# Altium PCB IIS_PCB.PcbDoc (part 2 of 3) (continued)
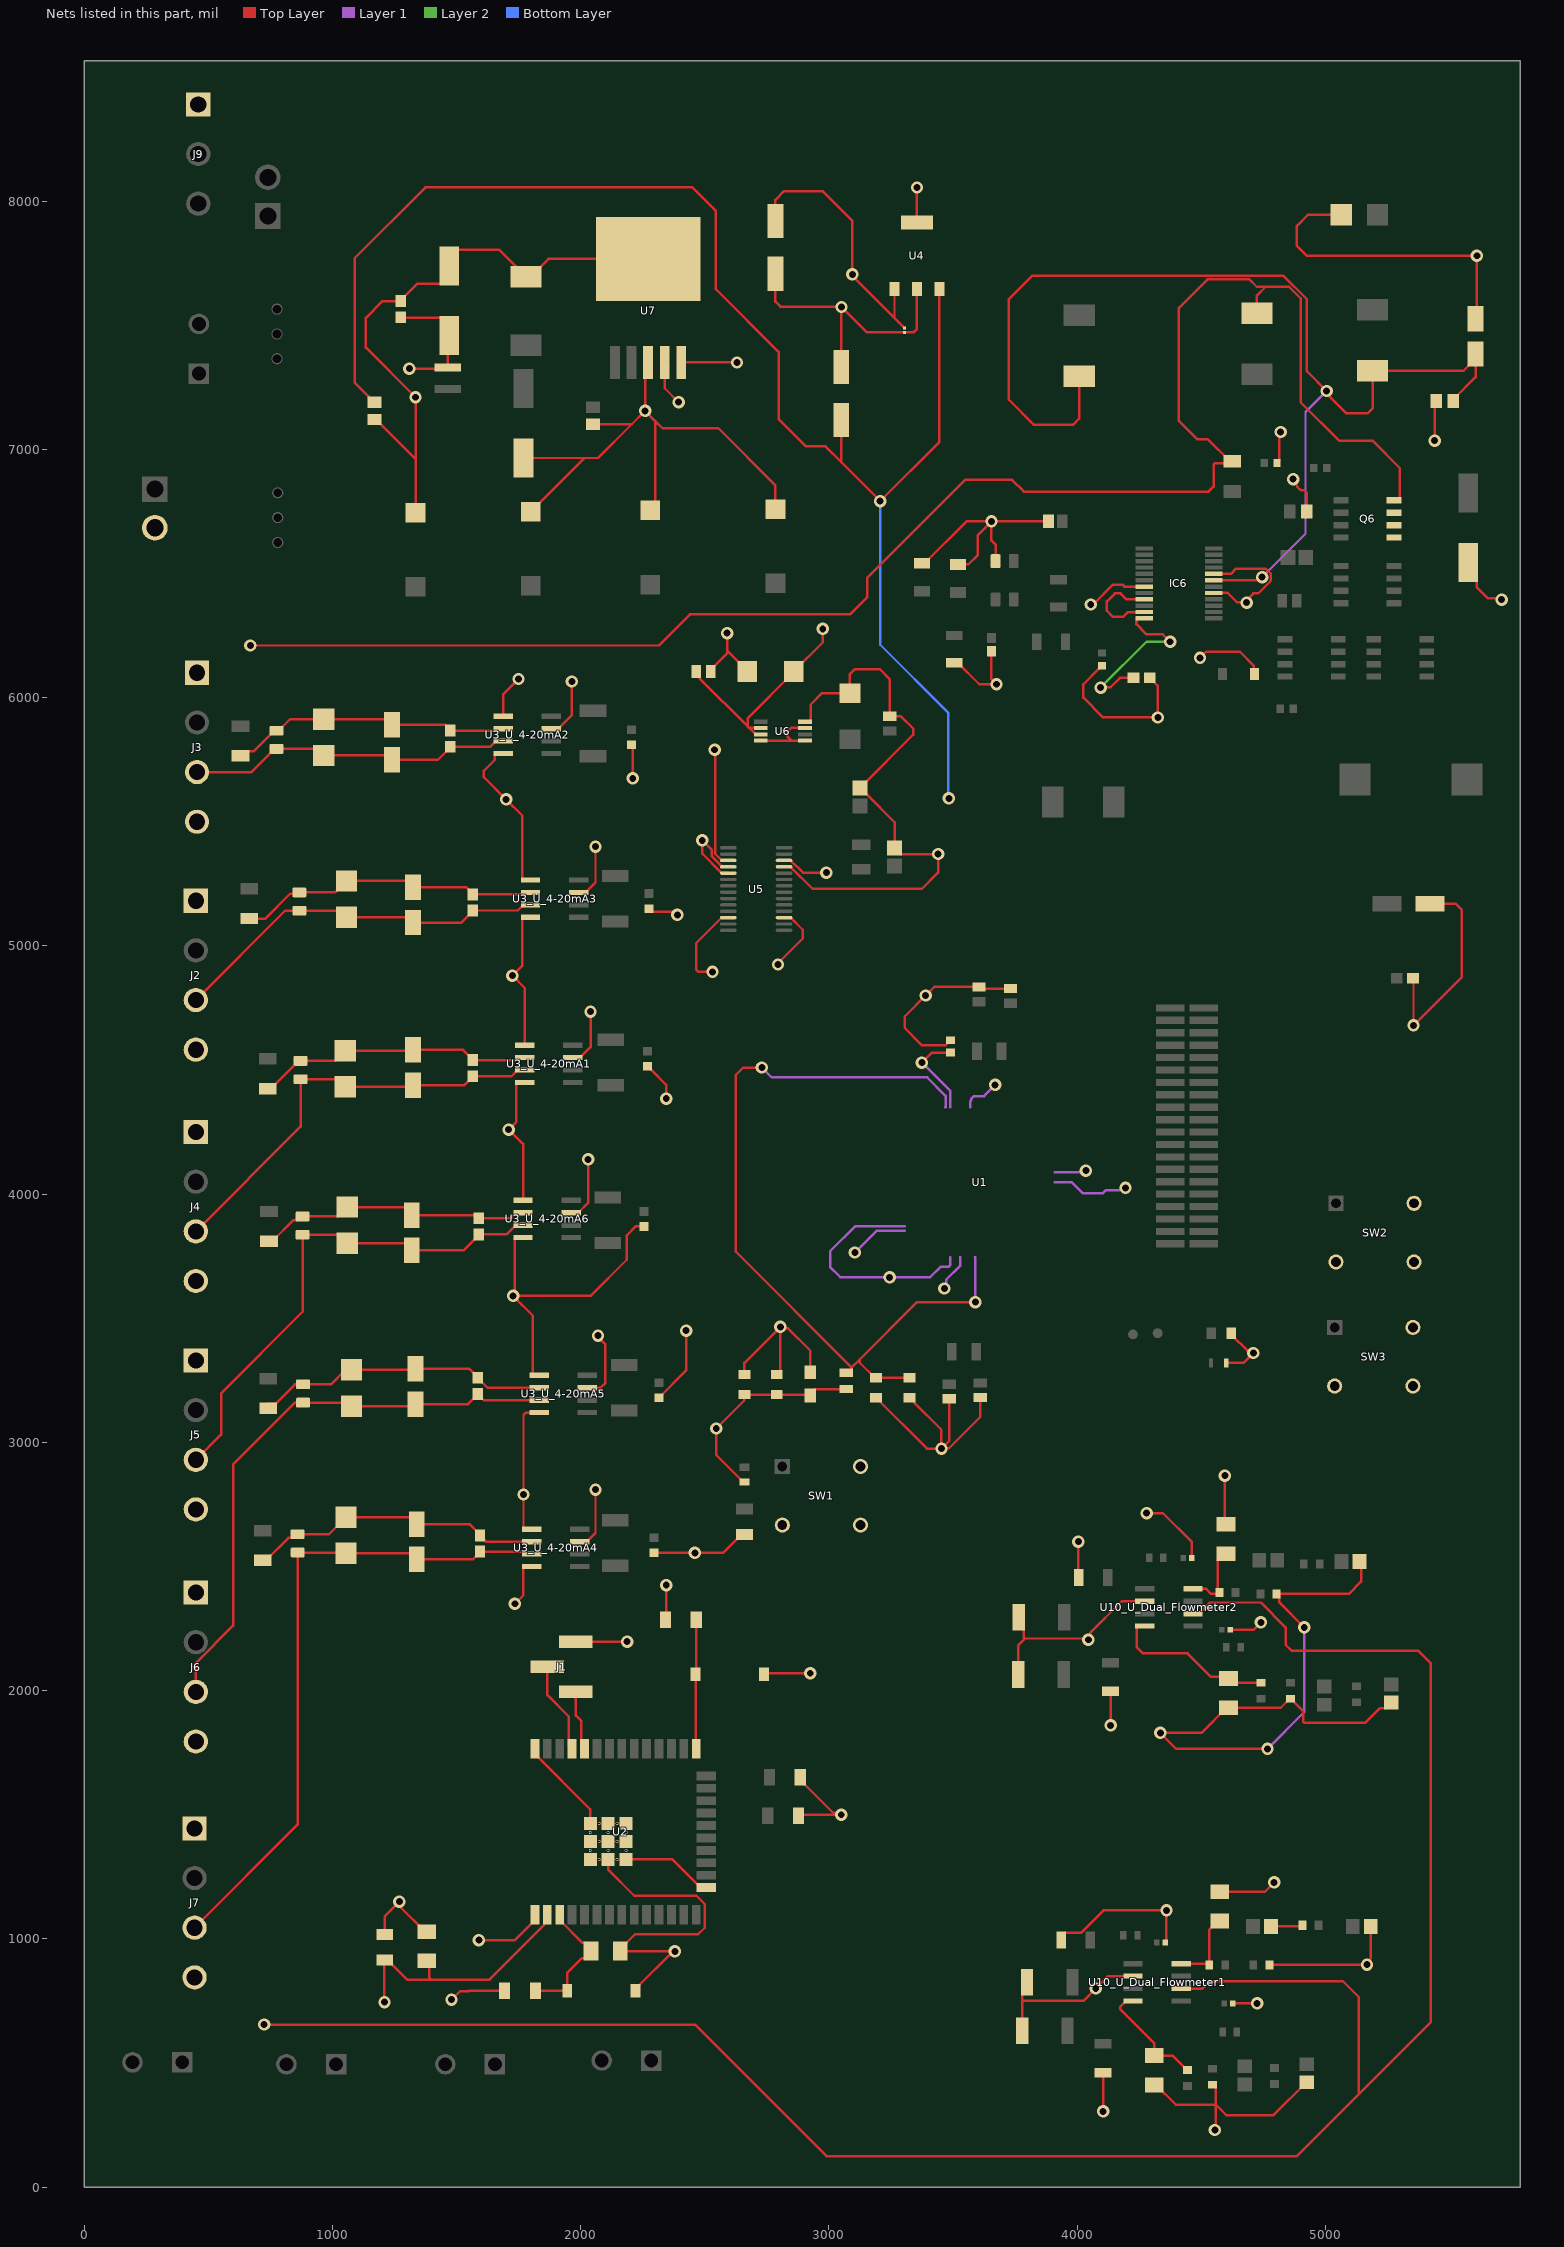
[diagram p6: the nets of this part, all layers, seen from the top]
## Part data (continued)
Q5 Q6 Q7 Q8: "MOSFET (N-Channel)", Manufacturer_Name="ON Semiconductor", Mouser Part Number=512-FDS5670, Arrow Part Number=FDS5670, Arrow Price/Stock=https://www.arrow.com/en/products/fds5670/on-semiconductor, Datasheet Link=https://eagle.componentsearchengine.com/Datasheets/2/FDS5670.pdf, Height=1.75mm, Manufacturer_Part_Number=FDS5670, Mouser Price/Stock=https://www.mouser.com/Search/Refine.aspx?Keyword=512-FDS5670
R1: library part CMP-2000-03379-3, "RES SMD 47K OHM 1% 1/10W 0603", Case Code (Imperial)=0603, Case Code (Metric)=1608, Max Operating Temperature=155°C, Max Power Dissipation=100mW, Min Operating Temperature=-55°C, Package Quantity=5000, Resistance=47kR, Resistance Tolerance=1%, Resistor Type="Thick Film", Temperature Coefficient=100ppm/°C, Voltage Rating=75V, Case/Package=0603, Construction=Rectangular, Contact Plating=Tin, Depth=0.85mm, Features="Automotive AEC-Q200", Height=0.45mm, Lead Free="Lead Free", Length=1.55mm, Military Standard=Not, Mount="Surface Mount", Number of Terminations=2, Packaging="Tape and Reel", Power Rating=100mW, Radiation Hardening=No, RoHS Compliant=Yes, Series=CRCW, Size Code=0603, Technology="THICK FILM", Termination=SMD/SMT, Tolerance=1%, Voltage Rating (DC)=75V, Weight=7.1E-05oz, Width=0.85mm
R2 R3 R4 R5: library part CMP-03211-008372-1, "Res Thin Film 1206 10KΩ 0.1% 0.25W 15ppm/°C Molded SMD", Manufacturer="TE Connectivity", Package=RP732B, Power Rating=0.25W, Resistance=10KΩ, Temperature="-55°C to 155°C", Temperature Coefficient=15ppm/°C, Temperature Range High=155°C, Temperature Range Low=-55°C, Tolerance=0.1%, Voltage Rating=200V, Automotive=No, Category=Res, ComponentLink2Description=Datasheet, ComponentLink2URL=https://www.te.com/commerce/DocumentDelivery/DDEController?Action=showdoc&DocId=Data+Sheet%7F1773272%7FL%7Fpdf%7FEnglish%7FENG_DS_1773272_L.pdf%7F8-1879255-6, Composition="Thin Film", Device Class L1="Passive Components", Device Class L2=Resistors, Device Class L3="Chip SMD Resistors", Height=0.65mm, Ipc Land Pattern Name=RESC305155X55, Lead Free=Yes, Manufacturer Part Number=RP73D2B10KBTG, Octopart=https://octopart.com/rp73d2b10kbtg-te+connectivity-42012630, octopart_url=https://octopart.com/rp73d2b10kbtg-te+connectivity-42012630, Packaging="250 cut tape length", RoHS=TRUE, Series=RP73
R16_U_Dual_Flowmeter1 R16_U_Dual_Flowmeter2 R29_U_Dual_Flowmeter1 R29_U_Dual_Flowmeter2 R35: "Carbon film resistor 100 kâ„", Package=None, Supplier Part Number 1=311-100KERCT-ND, Availability=Unavailable, MP=RC1206JR-07100KL, Price=None, Supplier 1=Digi-Key
R17_U_Dual_Flowmeter1 R17_U_Dual_Flowmeter2 R28_U_Dual_Flowmeter1 R28_U_Dual_Flowmeter2: "Chip Resistor Surface Mount", Package=None, Supplier Part Number 1=YAG1267CT-ND, Availability=Unavailable, MP=RC0402FR-073K3P, Price=None, Supplier 1=Digi-Key
R18_U_Dual_Flowmeter1 R18_U_Dual_Flowmeter2 R26_U_Dual_Flowmeter1 R26_U_Dual_Flowmeter2 RF1_U_4-20mA1 RF1_U_4-20mA2 RF1_U_4-20mA3 RF1_U_4-20mA4 RF1_U_4-20mA5 RF1_U_4-20mA6: Package=None, Supplier Part Number 1=CRS2010AFX-1001ELFCT-ND, Availability=Unavailable, MP=CRS2010AFX-1001ELF, Price=None, Supplier 1=Digi-Key
R19_U_Dual_Flowmeter1 R19_U_Dual_Flowmeter2 R27_U_Dual_Flowmeter1 R27_U_Dual_Flowmeter2: "Res Thick Film 0603 1M Ohm 1% 0.1W(1/10W) Â±100ppm/Â°C Sulfur Resistant Pad SMD Automotive T/R", Package="1608-2 Panasonic", Supplier Part Number 1=667-ERJ-S03F1004V, Availability="Not in stock", Check_prices=https://www.snapeda.com/parts/ERJ-S03F1004V/Panasonic/view-part/3733497/?ref=eda, MF=Panasonic, MP=ERJ-S03F1004V, Price=None, SnapEDA_Link=https://www.snapeda.com/parts/ERJ-S03F1004V/Panasonic/view-part/3733497/?ref=snap, Supplier 1=Mouser
R20_U_Dual_Flowmeter1 R20_U_Dual_Flowmeter2 R23_U_Dual_Flowmeter1 R23_U_Dual_Flowmeter2 R24_U_Dual_Flowmeter1 R24_U_Dual_Flowmeter2 R25_U_Dual_Flowmeter1 R25_U_Dual_Flowmeter2: "Resistor Thick Film 0603 5.1k Ohm 5% 1/10 Watt Â±200ppm Â°C Surface Mount Paper Tape On Plastic Reel", Package=None, Supplier Part Number 1=118-CR0603-JW-512ELFCT-ND, Availability=Unavailable, MP=CR0603-JW-512ELF, Price=None, Supplier 1=Digi-Key
R21_U_Dual_Flowmeter1 R21_U_Dual_Flowmeter2 R22_U_Dual_Flowmeter1 R22_U_Dual_Flowmeter2: "RES SMD 2.21KOHM 0.5% 1/10W 0603", Package=None, Availability=Unavailable, MP=RT0603DRE072K21L, Price=None
R30 R37 R38 R39: library part CMP-1012-00623-3, "Chip Resistor, 10 KOhm, +/- 1%, 0.1 W, -55 to 155 degC, 0603 (1608 Metric), RoHS, Tape and Reel", Case Code (Imperial)=0603, Case Code (Metric)=1608, Manufacturer=Panasonic, Max Operating Temperature=155degC, Max Power Dissipation=100mW, Min Operating Temperature=-55degC, Package Description="2-Pin Surface Mount Device, Body 1.6 x 0.85 mm", Package Quantity=1, Package Reference=603, Resistance=10KOhm, Temperature Coefficient=100ppm\/degreesC, Tolerance=1%, Voltage Rating=75V, Case\/Package=0603, Composition=ThickFilm, Contact Plating=Tin, Datasheet URL=https://industrial.panasonic.com/cdbs/www-data/pdf/RDA0000/AOA0000C304.pdf, Datasheet Version=02/2017, Depth=0.8mm, Height=0.45mm, Lead Free=LeadFree, Length=1.6mm, Manufacturer URL=http://www.panasonic.com/, Military Standard=Not, Mount=SurfaceMount, Mounting Technology=SurfaceMount, Number of Pins=2, Number of Terminations=2, Packaging=TapeandReel, Power Rating=100mW, Radiation Hardening=No, REACH SVHC=NoSVHC, RoHSCompliant=true, Termination=SMD/SMT, Voltage Rating (DC)=75V, Width=0.031inch
R31 R34 RF2_U_4-20mA1 RF2_U_4-20mA2 RF2_U_4-20mA3 RF2_U_4-20mA4 RF2_U_4-20mA5 RF2_U_4-20mA6: "100 Ohms Â±5% 0.5W, 1/2W Chip Resistor 0805 _2012 Metric_ Pulse Withstanding Thick Film", Package="0805 TE Connectivity", Supplier Part Number 1=279-CRGS0805J100R, Availability=Unavailable, MF="TE Connectivity", MP=CRGS0805J100R, Price=None, SnapEDA_Link=https://www.snapeda.com/parts/CRGS0805J100R/TE%20Connectivity%20AMP%20Connectors/view-part/1008227/?ref=snap, Supplier 1=Mouser, TE_purchase_URL=https://www.te.com/usa-en/product-2-2176244-5.html?te_bu=Cor&te_type=disp&te_campaign=seda_glo_cor-seda-global-disp-prtnr-fy19-seda-model-bom-cta_sma-317_1&elqCampaignId=32493
R32 R33: library part CMP-2003-00769-1, Manufacturer=Panasonic, Part Number=ERJ8BWFR018V
R36: library part CMP-2003-02025-1, Manufacturer="Vishay Dale", Part Number=CRCW1206294KFKEA
"R AV1": library part CMP-2001-04896-1, Manufacturer="Vishay Dale", Part Number=CRCW08050000Z0EA
RCore1: library part CMP-2000-03640-1, Manufacturer="Vishay Dale", Part Number=CRCW060391K0FKEA
S1 S2: "Tactile Switch SPST-NC Top Actuated Surface Mount", Package=None, Availability=Unavailable, MP=ATS2D3G_NC_LFG, Price=None
SW1 SW2 SW3: library part CMP-05613-000006-1, "SWITCH PUSH SPST-NO 0.1A 14V", Contact Current Rating=100mA, Max Operating Temperature=80°C, Max Voltage Rating (DC)=14V, Min Operating Temperature=-30°C, Operating Force=4N, Package Quantity=1200, Actuator Length=5.5mm, Actuator Type=Lever, Current Rating=100mA, Lead Free="Lead Free", Mount="Through Hole", Orientation=Straight, Packaging=Bulk, Radiation Hardening=No, REACH SVHC="No SVHC", RoHS Compliant=Yes, Series=ESE20C, Switch Function=Off-Mom, Termination="PC Pin", Throw Configuration=SPST, Voltage Rating (DC)=14V
U1: "SimpleLink ultra-low-power 32-bit Arm Cortex-M4F MCU With Precision ADC, 256KB Flash and 64KB RAM 100-LQFP -40 to 85", Package="LQFP-100 Texas Instruments", BuyPart=https://www.snapeda.com/parts/MSP432P401RIPZR/Texas%20Instruments/view-part/537368/?ref=eda, Digi-Key_Part_Number=296-44715-1-ND, DigiKey-Purchase-URL=https://snapeda.com/shop?store=DigiKey&id=537368, MF="Texas Instruments", Mouser-Purchase-URL=https://snapeda.com/shop?store=Mouser&id=537368, MP=MSP432P401RIPZR, SnapEDA_Link=https://www.snapeda.com/parts/MSP432P401RIPZR/Texas%20Instruments/view-part/537368/?ref=snap, Texas_Instruments-Purchase-URL=https://snapeda.com/shop?store=Texas+Instruments&id=537368
U2: "Bluetooth, WiFi 802.11b/g/n, Bluetooth v4.2 + EDR, Class 1, 2 and 3 Transceiver Module 2.4GHz ~ 2.5GHz Integrated, Trace Surface Mount", Package="Module Espressif Systems", Availability=Unavailable, MF="Espressif Systems", MP=ESP32-WROOM-32D, Price=None, SnapEDA_Link=https://www.snapeda.com/parts/ESP32-WROOM-32D/Espressif%20Systems/view-part/2768115/?ref=snap
U3_U_4-20mA1 U3_U_4-20mA2 U3_U_4-20mA3 U3_U_4-20mA4 U3_U_4-20mA5 U3_U_4-20mA6: "SP Amp DIFF AMP Single R-R O/P ±18V/36V Automotive 8-Pin SOIC N Tube", Case/Package=SOIC, Input Offset Voltage (Vos)=5.2mV, Input Resistance=2MR, Manufacturer="Analog Devices / Linear Technology", Manufacturer Part Number=LT1990ACS8#PBF, Max Dual Supply Voltage=18V, Max Operating Temperature=70°C, Max Supply Voltage=36V, Min Dual Supply Voltage=1.35V, Min Operating Temperature=0°C, Min Supply Voltage=2.4V, Operating Supply Current=140uA, Output Current per Channel=22mA, Package="SOIC -8 Analog Devices", Package Quantity=100, Power Supply Rejection Ratio (PSRR)=80dB, Supplier Part Number 1=584-LT1990ACS8#PBF, -3db Bandwidth=105kHz, Amplifier Type=DIFFERENTIAL, Availability=Good, Bandwidth=100kHz, Category="Amplifiers - Op Amps, Buffer, Instrumentation", Check_prices=h, Common Mode Rejection Ratio=70dB, ComponentLink1Description=https://datasheet.ciiva.com/15128/getdatasheetpartid-371446-15128871.pdf?src-supplier=Verical, ComponentLink1URL=https://datasheet.ciiva.com/15128/getdatasheetpartid-371446-15128871.pdf?src-supplier=Verical, ComponentLink2Description=https://datasheet.ciiva.com/1802/5087-1802941.pdf?src-supplier=Digi-Key, ComponentLink2URL=https://datasheet.ciiva.com/1802/5087-1802941.pdf?src-supplier=Digi-Key, ComponentLink3Description=https://datasheet.ciiva.com/1492/1990fb-1492770.pdf?src-supplier=Farnell, ComponentLink3URL=https://datasheet.ciiva.com/1492/1990fb-1492770.pdf?src-supplier=Farnell, ComponentLink4Description=https://datasheet.ciiva.com/1485/1679607-1485298.pdf?src-supplier=Element14, ComponentLink4URL=https://datasheet.ciiva.com/1485/1679607-1485298.pdf?src-supplier=Element14, Lead Free="Lead Free", MF="Analog Devices", MP=LT1990ACS8#PBF, Nominal Gain Bandwidth Product=100kHz, Number of Amplifiers=1, Number of Channels=1, Number of Circuits=1, Number of Elements=1, Number of Pins=8, Packaging=Rail/Tube, Price=None, Pricing 1="1=5.20000, 10=4.67000, 50=4.42000, 100=3.82000, 1000=3.25000, 10000=3.25000 (USD)", Purchase-URL=https://pricing.snapeda.com/search/part/LT1990ACS8#PBF/?ref=eda, Radiation Hardening=No, REACH SVHC="No SVHC", RoHS=Yes, RoHS Compliant=Yes, Slew Rate=0.55V/µs, SnapEDA_Link=https://www.snapeda.com/parts/LT1990ACS8%23PBF/Analog%20Devices/view-part/4348994/?ref=snap, Stock 1=55, Supplier 1=Mouser
U4: library part CMP-0476-01801-1, "Micropower Low Dropout Regulator with Shutdown, 4.17 to 36 V Vin, 3.3 V Vout, 3-pin SOT223 (ST-3), 0 to 125 degC, Pb-Free, Tape and Reel", Dropout Voltage(V)=0.42, Manufacturer="Linear Technology", Output Voltage="3.3 V", Shutdown Current(uA)=16, ComponentLink1Description="Manufacturer URL", ComponentLink1URL=http://www.linear.com/, ComponentLink2Description=Datasheet, ComponentLink2URL=http://cds.linear.com/docs/en/datasheet/1121fg.pdf, ComponentLink3Description="Package Specification", ComponentLink3URL=http://cds.linear.com/docs/en/packaging/SOT_3_05-08-1630.pdf, DatasheetVersion="Rev. G", Discrete Pass Element=no, Iout(mA)=150, Isupply(mA)=0.03, Mounting Technology="Surface Mount", Number of Outputs=1, PackageDescription="3-Pin Plastic SOT-223, 3.505 x 6.505 mm Body, Pitch 2.3 mm", PackageReference=ST-3, PackageVersion=Jun-10, Packing="Tape and Reel", PartNumber=LT1121CST-3.3#TRPBF, RoHS=TRUE, Vin Max(V)=36, Vin Min(V)=4.17
U5: library part CMP-0313-02003-2, "10 Channel 24-Bit Low Power Sigma-Delta Analog-to-Digital Converter with Serial, SPI Interface, 1.365KSPS, -40 to +85 degC, RU-28, Pb-Free, Tube", Generic Part Number=AD7718, Manufacturer="Analog Devices", Channels=10, Code_JEDEC=MO-153-AE, ComponentLink1Description="Manufacturer URL", ComponentLink1URL=http://www.analog.com/en/index.html, ComponentLink2Description=Datasheet, ComponentLink2URL=http://www.analog.com/static/imported-files/data_sheets/AD7708_7718.pdf, ComponentLink3Description="Package Specification", ComponentLink3URL=http://www.analog.com/static/imported-files/packages/249854663RU_28.pdf, ComponentLink4Description="Product URL", ComponentLink4URL=http://www.analog.com/en/analog-to-digital-converters/ad-converters/ad7718/products/product.html, DatasheetVersion=Rev.0, Interface="Ser, SPI", Mounting Technology="Surface Mount", PackageDescription="28-Lead Thin Shrink Small Outline Package [TSSOP]", PackageReference=RU-28, PackageVersion=2005, Packing=Tube, PartNumber=AD7718BRUZ, Resolution (Bits)=24, RoHS=Y, Throughput Rate (SPS)=1.365K
U6: "Ic Vref Series Prec 2.5v 8-Msop - Ltc6652ahms8-2.5#Pbf", Package="MSOP-8 Linear Technology", Availability=Unavailable, MF="Linear Technology", MP=LTC6652AHMS8-2.5#PBF, Price=None, SnapEDA_Link=https://www.snapeda.com/parts/LTC6652AHMS8-2.5%23PBF/Analog%20Devices/view-part/135303/?ref=snap
U7: "SIMPLE SWITCHERé›»æºè½‰æ›å™¨150 KHz 1Aé™å£“ç©©å£“å™¨5-DDPAK / TO-263", Package="TO-263-5 Texas Instruments", Supplier Part Number 1=296-37722-5-ND, Availability=Warning, Check_prices=https://www.snapeda.com/parts/LM2595S-5.0/Texas%20Instruments/view-part/20758/?ref=eda, DigiKey-Purchase-URL=https://snapeda.com/shop?store=DigiKey&id=20758, MF="Texas Instruments", MP=LM2595S-5.0, Price=None, SnapEDA_Link=https://www.snapeda.com/parts/LM2595S-5.0/Texas%20Instruments/view-part/20758/?ref=snap, Supplier 1=Digi-Key
U10_U_Dual_Flowmeter1 U10_U_Dual_Flowmeter2: "Comparator General Purpose Pull Up 8-SOIC", Package="SOIC -8 Analog Devices", Supplier Part Number 1=584-LT1017IS8#PBF, Availability="In Stock", Check_prices=https://www.snapeda.com/parts/LT1017IS8%23PBF/Analog%20Devices/view-part/4348316/?ref=eda, MF="Analog Devices", MP=LT1017IS8#PBF, Price=None, Purchase-URL=https://pricing.snapeda.com/search/part/LT1017IS8#PBF/?ref=eda, SnapEDA_Link=https://www.snapeda.com/parts/LT1017IS8%23PBF/Analog%20Devices/view-part/4348316/?ref=snap, Supplier 1=Mouser
Y1 Y2: "32.768kHz Â±20ppm Crystal 6pF 55 kOhms 2-SMD, No Lead", Package="SMD-2 Abracon LLC", Digi-Key_Part_Number=535-11937-1-ND, Digi-Key_Purchase_URL=https://www.digikey.com/product-detail/en/abracon-llc/ABS07-120-32.768KHZ-T/535-11937-1-ND/3724046?utm_source=snapeda&utm_medium=aggregator&utm_campaign=symbol, MF=Abracon, MP=ABS07-120-32.768KHZ-T, SnapEDA_Link=https://www.snapeda.com/parts/ABS07-120-32.768KHZ-T/Abracon%20LLC/view-part/330478/?ref=snap
"YA 1": library part CMP-0447-00001-3, "CRYSTAL 32.7680KHZ 12.5PF SMD", Case/Package=CSMD, ESR (Equivalent Series Resistance)=70kR, Frequency=32.768kHz, Frequency Tolerance=20ppm, Load Capacitance=12.5pF, Max Operating Temperature=85°C, Min Operating Temperature=-40°C, Operating Frequency="32.768 kHz", Package Quantity=3000, Depth=1.5mm, Height=0.035inch, Lead Free="Lead Free", Length=3.2mm, Number of Pins=2, Packaging="Tape and Reel", Radiation Hardening=No, REACH SVHC="No SVHC", RoHS Compliant=Yes, Series=ABS07, Series Resistance=70kR, Termination=SMD/SMT, Tolerance=20ppm, Width=0.061inch

## Via types
v1: diameter 50, hole 28, Top Layer to Bottom Layer, 194 vias

## Nets (pads, with @x,y where several pads share a name; then routed paths per layer and width w, separated by ;. In a path a pad name is that pad's centre, name@x,y a point inside that pad or via, vN(x,y) a via of type N, cw(c..) or ccw(c..) an arc to the next point about the centre after c; other vN are vias at no path point)
3V3: "R AV1.2" C1.2 C4.1 C5.1 C7.1 C8.1 C11.2 C14.1 R1.2 R2.2 R3.2 R16_U_Dual_Flowmeter1.1 R16_U_Dual_Flowmeter2.1 R17_U_Dual_Flowmeter1.1 R17_U_Dual_Flowmeter2.1 R28_U_Dual_Flowmeter1.1 R28_U_Dual_Flowmeter2.1 R29_U_Dual_Flowmeter1.1 R29_U_Dual_Flowmeter2.1 U1.13 U1.73 U2.2 U4.3 U5.26 | length 10772.2
  Top Layer w10: C14.1@1170,7189.45 1163.9,7189.45 1146.06,7207.28 1146.06,7213.39 1090,7269.45 1090,7770 1375,8055 2450,8055 2545,7960 2545,7645 2797.5,7392.5 2797.5,7122.5 2908.3,7011.7 2986.88,7011.7 3050,6948.58 ; v1(1210,745) 1210,914.23 C7.1@1210.85,915.08 ; C7.1@1222.66,915.08 1301.48,836.26 1396.7,836.26 ; C8.1@1380.85,911.26 1390.85,901.26 1390.85,842.12 1396.7,836.26 ; v1(1480,755) 1515,790 1550,790 1551.26,791.26 R2.2@1693.84,791.26 ; U2.2@1865.85,1096.97 1853.13,1084.25 1853.13,1055.95 1633.44,836.26 1396.7,836.26 ; R3.2@2341.83,2286.26 2345,2289.43 v1(2345,2425) ; R1.2@2660,2840.47 2655.08,2840.47 2546.31,2949.24 v1(2546.31,3055.84) 2660,3169.53 C4.1@2660,3192.84 C5.1@2790,3192.84 2920.35,3192.84 C1.2@2925,3188.2 2925,3193.91 2946.09,3215 3070,3215 ; U5.26@2819.41,5344.13 2845.98,5344.13 2895.12,5295 v1(2990,5295) ; C11.2@3050,7118.7 3050,6948.58 ; U4.3@3445.55,7646.14 3445.55,7030.42 v1(3206.85,6791.72) 3050,6948.58 ; R16_U_Dual_Flowmeter1.1@3936.73,995 3936.73,1009.96 3950.83,1024.06 4015.03,1024.06 4105.98,1115 v1(4360,1115) 4358.5,1113.5 4358.5,988.5 R17_U_Dual_Flowmeter1.1@4355,985 ; v1(4005,2600) 4005,2456.73 R16_U_Dual_Flowmeter2.1@4006.73,2455 ; v1(4105,305) R29_U_Dual_Flowmeter1.1@4105,461.73 ; v1(4135,1860) R29_U_Dual_Flowmeter2.1@4135,1996.73 ; v1(4280,2715) 4345,2715 4462.01,2597.99 R17_U_Dual_Flowmeter2.1@4462.01,2535 ; R28_U_Dual_Flowmeter2.1@4617.01,2245 4710,2245 v1(4740,2275) ; R28_U_Dual_Flowmeter1.1@4627.01,740 v1(4725,740)
  Layer 1 w10: v1(3105,3765) 3191.89,3851.89 U1.73@3306.06,3851.89 ; U1.13@3910,4048.74 3977.22,4048.74 4023.23,4002.73 4102.73,4002.73 4115,4015 4169.14,4015 4171.49,4017.35 4187.35,4017.35 v1(4195,4025)
  Bottom Layer w10: v1(3206.85,6791.72) 3206.85,6213.15 3480,5940 3480,5597.59 v1(3483.59,5593.99)
24V0: CR7.2 J2.1 J3.1 J4.1 J5.1 J6.1 J7.1 Q6.5 Q6.6 Q6.7 Q6.8 R36.2 U10_U_Dual_Flowmeter1.6 U10_U_Dual_Flowmeter2.6 | length 15761.1
  Top Layer w10: v1(670,6210) 2315,6210 2440,6335 3085,6335 3155,6405 3155,6483.65 3548.79,6877.44 3738.17,6877.44 3785.61,6830 4530,6830 4550,6850 4550,6939.14 4555.86,6945 4617.95,6945 R36.2@4625,6952.05 4615.16,6952.05 4527.2,7040 4485,7040 4410,7115 4410,7570 4525,7685 4693.66,7685 4723.66,7655 4760,7655 ; v1(725,655) 2460,655 2990,125 4885,125 5135,375 ; U10_U_Dual_Flowmeter1.6@4419,800 4505,800 4535,830 5070,830 5135,765 5135,375 ; U10_U_Dual_Flowmeter2.6@4467,2310 4495.5,2310 4501,2315.5 4501,2321 4535,2355 4740,2355 4840,2255 4840,2185 4865,2160 5375,2160 5425,2110 5425,665 5135,375 ; CR7.2@4724.33,7548 4724.33,7619.33 4760,7655 ; Q6.8@5276.77,6795 5292.2,6795 5300,6802.8 5300,6924.14 5189.14,7035 5055,7035 4900,7190 4900,7608.79 4853.79,7655 4760,7655
"+6 VDC": C29.1 C53.2 CR6.1 CR9.1 IC6.19 | length 4671.3
  Top Layer w10: CR9.1@4008.66,7294 4008.66,7123.66 3985,7100 3825,7100 3725,7200 3725,7605 3820,7700 4830,7700 4925,7605 4925,7315 v1(5005,7235) 5005,7225 5085,7145 5169.82,7145 5190,7165.17 CR6.1@5190,7317 5557.55,7317 C29.1@5605,7364.45 ; IC6.19@4549.76,6472.8 4721.97,6472.8 ; C53.2@5515,7195 5515,7201.1 5605,7291.1 C29.1@5605,7364.45 ; C29.1@5605,7384.13 C29.1@5605,7364.45
  Layer 1 w10: v1(4745,6485) 4920,6660 4920,7150 v1(5005,7235)
\: U1.3
A5V0: C10.2 C13.1 C15.1 C23.1 CA2.2 CA4.1 L1.2 U3_U_4-20mA1.7 U3_U_4-20mA2.7 U3_U_4-20mA3.7 U3_U_4-20mA4.7 U3_U_4-20mA5.7 U3_U_4-20mA6.7 U4.1 U5.3 U6.2 U6.3 U7.4 | length 4773.1
  Top Layer w10: C23.1@1275,7532.49 1277.49,7530 1470,7530 1465,7525 L1.2@1465,7330 1460,7325 v1(1310,7325) ; U3_U_4-20mA2.7@1882,5875 1910.5,5875 1965,5929.5 v1(1965,6065) ; U3_U_4-20mA6.7@1962,3925 1990.5,3925 2030,3964.5 v1(2030,4140) ; U3_U_4-20mA1.7@1969.08,4550 1997.58,4550 2040,4592.42 v1(2040,4735) ; U3_U_4-20mA3.7@1992,5215 2020.5,5215 2060,5254.5 v1(2060,5400) ; U3_U_4-20mA4.7@1997,2600 2025.5,2600 2060,2634.5 v1(2060,2810) ; U3_U_4-20mA5.7@2027,3220 2080,3220 2100,3240 2100,3394.14 2070,3424.14 v1(2070,3430) ; U7.4@2353.34,7335.52 U7.4@2338.86,7350 2338.86,7246.14 v1(2395,7190) ; CA4.1@2465.47,6105 2479.17,6091.3 2479.17,6077.61 2673.5,5883.29 ; v1(2540,5790) 2542.42,5787.58 2542.42,5370.14 2567.19,5345.37 2593.77,5345.37 U5.3@2595,5344.13 ; U6.3@2726,5852 2707,5852 2681,5878 ; U6.2@2726,5878 2681,5878 ; C10.2@2785,7920 2785,8005 2820,8040 2975,8040 3095,7920 v1(3095,7705) 3095,7698.54 3264.45,7529.09 ; v1(2975.49,6276.82) 2975.49,6222.58 CA2.2@2857.91,6105 2857.91,6102.24 2673.5,5917.83 2673.5,5883.29 ; U4.1@3264.45,7646.14 3264.45,7529.09 ; C13.1@3305,7488.74 3304.8,7488.74 3264.45,7529.09 ; 2673.5,5883.29 2678.79,5878 2681,5878
DCORE: RCore1.2 U1.44 | length 358.6
  Top Layer w10: v1(3375,4530) 3415.39,4570.39 RCore1.2@3490,4570.39
  Layer 1 w10: v1(3375,4530) 3489.92,4415.08 U1.44@3489.92,4350.71
ESP32_BOOT: R3.1 S2.2 U2.25 | length 522.3
  Top Layer w10: U2.25@2465.85,1766.26 2463.05,1769.06 S2.2@2463.05,2066.26 2465.85,2069.06 R3.1@2465.85,2286.26
ESP32_EN: C9.2 R2.1 S1.2 U2.3 | length 539.2
  Top Layer w10: R2.1@1817.85,791.26 S1.2@1945.85,791.26 1945.85,863.19 2003.78,921.13 2017.26,921.13 2041.79,945.65 2041.79,959.13 2017.26,983.66 2007.5,983.66 1915.85,1075.32 U2.3@1915.85,1096.97
ESP32_UART0.RX: J1.03 U2.34 | length 244.5
  Top Layer w10: J1.03@1980.85,1996.26 1980.85,1899.59 2003.13,1877.3 2003.13,1778.98 U2.34@2015.85,1766.26
ESP32_UART0.TX: J1.02 U2.35 | length 371.4
  Top Layer w10: J1.02@1865.89,2096.26 1865.89,1982.07 1953.13,1894.82 1953.13,1778.98 U2.35@1965.85,1766.26
GND: C1.1 C2.2 C3.2 C4.2 C5.2 C6.1 C7.2 C8.2 C9.1 C10.1 C11.1 C13.2 C14.2 C15.2 C16.2 C17.2 C18.2 C19.2 C21_U_Dual_Flowmeter1.2 C21_U_Dual_Flowmeter2.2 C22_U_Dual_Flowmeter1.2 C22_U_Dual_Flowmeter2.2 C23.2 C24.2 C27_U_Dual_Flowmeter1.2 C27_U_Dual_Flowmeter2.2 C28_U_Dual_Flowmeter1.2 C28_U_Dual_Flowmeter2.2 C29.2 C31.2 C32.2 C33.2 C34.2 C41.1 C44.1 C45.2 C49.2 C50.2 C53.1 CA1.1 CA2.1 CA3.2 CA4.2 CA5.1 CA6.1 CF3_U_4-20mA1.2 CF3_U_4-20mA2.2 CF3_U_4-20mA3.2 CF3_U_4-20mA4.2 CF3_U_4-20mA5.2 CF3_U_4-20mA6.2 CH1.1 CH2.1 CL1.1 CL2.1 CR5.2 CU1.2 CU2.1 D1.2 D3.2 IC6.7 IC6.9 IC6.11 IC6.17 IC6.20 J1.01 J2.4 J3.4 J4.4 J5.4 J6.4 J7.4 J9.1 J10.2 R4.2 R5.2 R18_U_Dual_Flowmeter1.1 R18_U_Dual_Flowmeter2.1 R24_U_Dual_Flowmeter1.2 R24_U_Dual_Flowmeter2.2 R25_U_Dual_Flowmeter1.2 R25_U_Dual_Flowmeter2.2 R26_U_Dual_Flowmeter1.2 R26_U_Dual_Flowmeter2.2 R32.2 R33.2 R34.1 R37.1 R39.2 RCore1.1 S1.1 S2.1 SW1.b SW1.c SW1.d SW2.b SW2.c SW2.d SW3.b SW3.c SW3.d U1.15 U1.40 U1.72 U1.82 U1.84 U2.1 U2.15 U2.38 U2.39_1 U2.39_2 U2.39_3 U2.39_4 U2.39_5 U2.39_6 U2.39_7 U2.39_8 U2.39_9 U2.39_10 U2.39_11 U2.39_12 U2.39_13 U2.39_14 U2.39_15 U2.39_16 U2.39_17 U2.39_18 U2.39_19 U2.39_20 U2.39_21 U3_U_4-20mA1.1 U3_U_4-20mA1.4 U3_U_4-20mA2.1 U3_U_4-20mA2.4 U3_U_4-20mA3.1 U3_U_4-20mA3.4 U3_U_4-20mA4.1 U3_U_4-20mA4.4 U3_U_4-20mA5.1 U3_U_4-20mA5.4 U3_U_4-20mA6.1 U3_U_4-20mA6.4 U4.2 U4.4 U5.4 U5.5 U5.12 U5.17 U5.25 U6.4 U6.5 U6.7 U6.8 U7.3 U7.5 U7.6 U10_U_Dual_Flowmeter1.2 U10_U_Dual_Flowmeter2.2 | length 35619.1
  Top Layer w10: C14.2@1170,7120.55 1176.1,7120.55 1335,6961.65 ; C7.2@1210.85,1017.44 1210.85,1090.85 v1(1270,1150) 1277.65,1142.35 1277.65,1124.69 1372.97,1029.37 C8.2@1380.85,1029.37 ; C34.2@1335,6745 1335,6961.65 ; C15.2@1470,7738.66 1470,7770.63 1504.37,7805 1670.59,7805 D1.2@1780,7695.59 1798.7,7695.59 1870.43,7767.32 U7.6@2271.93,7767.32 ; C15.2@1496.5,7695.59 1470,7669.09 1470,7667.8 1342.36,7667.8 1275,7600.43 C23.2@1275,7597.51 1202.51,7597.51 1135,7530 1135,7410 v1(1335,7210) 1335,6961.65 ; v1(1590,995) 1735.53,995 1815.85,1075.32 U2.1@1815.85,1096.97 ; U3_U_4-20mA2.4@1688,5775 1659.5,5775 1654,5769.5 1654,5749 1610,5705 1610,5680 v1(1700,5590) 1765,5525 1765,5270.5 1770.5,5265 U3_U_4-20mA3.1@1798,5265 ; U3_U_4-20mA2.1@1688,5925 1688,6013 v1(1750,6075) ; v1(1735,2350) 1769,2384 1769,2494.5 1774.5,2500 U3_U_4-20mA4.4@1803,2500 ; U3_U_4-20mA6.4@1768,3825 1739.5,3825 1734,3819.5 1734,3596.34 v1(1727.95,3590.29) ; U3_U_4-20mA6.1@1768,3975 1768,4202 v1(1710,4260) 1741.08,4291.08 1741.08,4444.5 1746.58,4450 U3_U_4-20mA1.4@1775.08,4450 ; C17.2@1770,6965.24 2015.63,6965.24 ; U3_U_4-20mA1.1@1775.08,4600 1775.08,4829.92 v1(1725,4880) 1764,4919 1764,5109.5 1769.5,5115 U3_U_4-20mA3.4@1798,5115 ; C33.2@1800,6749.61 2015.63,6965.24 ; U3_U_4-20mA4.1@1803,2650 1775.5,2650 1770,2655.5 1770,3110.14 1779.86,3120 U3_U_4-20mA5.4@1808,3120 ; U3_U_4-20mA5.1@1808,3270 1808,3510.24 v1(1727.95,3590.29) ; U2.38@1815.85,1766.26 1815.85,1744.61 2038.88,1521.57 U2.39_3@2038.88,1464.49 ; J1.01@1980.85,2196.26 1981.85,2197.26 v1(2187.69,2197.26) ; C16.2@2050,7101.1 2206.1,7101.1 ; U2.39_4@2111.12,1320 2111.12,1278.82 2216.04,1173.9 2466.1,1173.9 2500,1140 2500,1045 2473.56,1018.56 2219.33,1018.56 2159.9,959.13 C9.1@2159.9,951.26 2161.16,950 v1@2372.3,950 ; U2.39_7@2183.37,1320 2370.18,1320 2483.56,1206.61 U2.15@2505.22,1206.61 ; CF3_U_4-20mA2.2@2205,5809.69 2210,5804.69 v1(2210,5675) ; S1.1@2221.44,791.26 2221.44,799.13 v1@2372.3,950 ; CF3_U_4-20mA6.2@2255,3869.69 2221.69,3869.69 2185.85,3833.84 2185.85,3735.85 2040.29,3590.29 v1(1727.95,3590.29) ; CF3_U_4-20mA1.2@2270,4514.69 2270.79,4514.69 2283.31,4502.17 2283.31,4501.38 2345,4439.69 v1(2345,4385) ; U7.3@2271.93,7350 2260,7338.07 v1(2260,7155) ; CF3_U_4-20mA3.2@2275,5150 2287.52,5137.48 2366.7,5137.48 2379.18,5125 v1(2390,5125) ; C32.2@2280,6754.61 2300,6774.61 2300,7115 ; CF3_U_4-20mA4.2@2295,2555 v1(2460,2555) 2574.37,2555 2648.19,2628.82 C6.1@2660,2628.82 ; CF3_U_4-20mA5.2@2315,3179.69 2425,3289.69 v1(2425,3450) ; v1(2380,950) v1@2372.3,950 ; U7.5@2405.79,7350 v1(2630,7350) v1@2640.82,7350 ; CA4.2@2524.53,6105 2524.53,6112.87 2590,6178.35 2590,6189.84 ; v1(2531.4,4895.5) 2474.5,4895.5 2465,4905 2465,5010.39 2568.43,5113.82 U5.12@2595,5113.82 ; v1(2590,6260) 2590,6189.84 ; U5.5@2595,5292.95 2593.77,5294.19 2567.19,5294.19 2490,5371.38 v1(2490,5425) 2527.42,5387.58 2527.42,5361.25 2560.87,5327.8 2560.87,5327.12 2569.45,5318.54 U5.4@2595,5318.54 ; C4.2@2665,3268.55 C4.2@2660,3273.55 2660,3320 v1(2805,3465) ; CA2.1@2672.09,6105 2672.09,6107.76 2590,6189.84 ; U6.4@2726,5827 2848.86,5827 ; S2.1@2738.64,2066.26 2742.38,2070 v1(2925,2070) ; C31.2@2785,6759.61 2785,6855 2555,7085 2330,7085 2300,7115 ; C10.1@2785,7707.4 2785,7595 2805,7575 3049.46,7575 v1(3050.99,7573.47) ; C5.2@2790,3273.55 2791.18,3273.55 2805,3287.38 v1(2805,3465) ; v1(2795,4925) 2795,4930 2895,5030 2895,5064.8 2845.98,5113.82 U5.17@2819.41,5113.82 ; U5.25@2819.41,5318.54 2845.98,5318.54 2934.53,5230 3375,5230 3440,5295 v1(3440,5370) 3289.25,5370 CA6.1@3265,5394.25 3265,5498 3152.84,5610.16 3150.51,5610.16 CA5.1@3125,5635.67 3340,5850.67 3340,5875 3290.47,5924.53 CA3.2@3245,5924.53 3245,6075 3205,6115 3105,6115 3085,6095 CA1.1@3085,6017.91 2972.91,6017.91 2926.5,5971.5 2926.5,5906.5 2923,5903 U6.8@2904,5903 ; R5.2@2877.85,1496.26 2881.59,1500 v1(3050,1500) ; R4.2@2884.86,1651.26 2884.86,1640.43 3017.64,1507.65 3042.35,1507.65 v1(3050,1500) ; U6.5@2904,5827 2848.86,5827 ; U6.7@2904,5878 2848,5878 2835,5865 2835,5840.86 2848.86,5827 ; C1.1@2925,3282.69 2925,3370 2835.78,3459.22 2810.78,3459.22 v1(2805,3465) ; v1@3050,1489.18 v1(3050,1500) ; C11.1@3050,7331.3 3050,7572.48 v1(3050.99,7573.47) ; C2.2@3190,3179.65 3394.8,2974.85 v1(3453.66,2974.85) ; C3.2@3325,3179.65 3329.92,3179.65 3343.74,3165.82 3343.74,3160.9 3453.66,3050.98 v1(3453.66,2974.85) ; U4.2@3355,7646.14 3355,7485 3341.26,7471.26 C13.2@3305,7471.26 3153.2,7471.26 v1(3050.99,7573.47) ; U4.4@3355,7913.86 v1(3355,8055) ; R33.2@3375,6541.1 3385.83,6541.1 3554.72,6710 v1(3655,6710) ; CH1.1@3485,3175.47 3485,3006.18 v1@3455.38,2976.56 ; RCore1.1@3490,4619.61 3487.05,4619.61 3476.3,4608.86 3476.3,4605.91 3469.83,4599.43 3375.57,4599.43 3305.57,4669.43 3305.57,4715.57 v1(3390,4800) 3424.53,4834.53 CL2.1@3605,4834.53 3611.48,4828.05 CL1.1@3731.83,4828.05 ; C49.2@3505,6140 3519.76,6140 3605.82,6053.94 v1(3675.41,6053.94) 3655,6074.35 C50.2@3655,6186.69 ; R32.2@3520,6536.1 3520.52,6536.62 3561.62,6536.62 3600,6575 3600,6655 v1(3655,6710) ; CH2.1@3610,3180.47 3610,3102.9 3483.66,2976.56 v1@3455.38,2976.56 ; R34.1@3671.38,6550 3671.38,6616.71 3655,6633.08 v1(3655,6710) ; R26_U_Dual_Flowmeter2.2@3763.46,2105 3763.46,2183.46 3790,2210 ; R18_U_Dual_Flowmeter2.1@3765,2295 3784.14,2275.86 3784.14,2215.86 3790,2210 ; R26_U_Dual_Flowmeter1.2@3778.46,630 3778.46,727.4 3778.66,727.6 3778.66,750 ; R18_U_Dual_Flowmeter1.1@3798.46,825 3778.66,805.2 3778.66,750 ; C45.2@3885,6710 v1(3655,6710) ; v1(4055,6375) 4065,6375 4145,6455 4182.29,6455 4190.09,6447.2 IC6.7@4270.24,6447.2 ; R39.2@4100,6128.82 4098.03,6128.82 4088.27,6119.06 4088.27,6117.09 4025,6053.82 4025,6000 4105,5920 v1(4325,5920) 4325,6047.51 C19.2@4292.51,6080 ; U10_U_Dual_Flowmeter1.2@4225,850 4125,850 v1(4075,800) 4025,750 3778.66,750 ; IC6.11@4270.24,6344.84 4204.25,6344.84 4184.41,6325 4145,6325 4120,6350 4120,6387.57 4152.43,6420 4174.86,6420 4198.84,6396.02 IC6.9@4270.24,6396.02 ; U10_U_Dual_Flowmeter2.2@4273,2360 4180,2360 4052.65,2232.65 4052.65,2212.65 v1(4045,2205) 4040,2210 3790,2210 ; C22_U_Dual_Flowmeter1.2@4310,411.83 4317.9,411.83 4397.18,332.55 4558.31,332.55 ; v1(4495,6160) 4520,6185 4655,6185 4711.84,6128.16 4711.84,6097.53 D3.2@4714.37,6095 ; R25_U_Dual_Flowmeter1.2@4545,412.72 4547.76,412.72 4558.31,402.17 4558.31,332.55 ; IC6.17@4549.76,6421.61 4606.68,6421.61 4643.16,6385.14 4675.14,6385.14 v1@4680,6390 ; IC6.20@4549.76,6498.39 4619.29,6498.39 4640.3,6519.39 4729.9,6519.39 4730.5,6520 4759.5,6520 4780,6499.5 4780,6470.5 4729.5,6420 4710,6420 v1@4680,6390 ; v1(4555,230) 4558.31,233.31 4558.31,332.55 ; C21_U_Dual_Flowmeter1.2@4575,1190 4756.07,1190 v1(4793.8,1227.73) ; v1(4595,2865.91) 4595,2675 C21_U_Dual_Flowmeter2.2@4600,2670 ; CU2.1@4600.51,3320 4670,3320 v1(4710,3360) 4702.35,3367.65 4687.78,3367.65 4620.35,3435.08 CU1.2@4620.35,3440 ; v1(4683.16,6382.45) 4683.16,6386.84 v1@4680,6390 ; v1(4766.79,1765.64) 4399.36,1765.64 v1(4335,1830) 4501.18,1830 4602.1,1930.91 C22_U_Dual_Flowmeter2.2@4610,1930.91 4820.44,1930.91 4857.24,1967.72 R25_U_Dual_Flowmeter2.2@4860,1967.72 4862.76,1967.72 4873.31,1957.17 4873.31,1954.41 4910,1917.72 4910,1875.86 4915.86,1870 5160,1870 5219.4,1929.4 5242.33,1929.4 C28_U_Dual_Flowmeter2.2@5265,1952.07 ; R24_U_Dual_Flowmeter1.2@4774.57,895 4775.6,896.04 v1(5167.73,896.04) 5167.73,906.86 5182.93,922.06 C27_U_Dual_Flowmeter1.2@5182.93,1050 ; R37.1@4805,6945 4814.76,6954.76 4814.76,6962.35 4815,6962.59 4815,7065 v1(4820,7070) ; v1(4870,6880) 4870,6869.18 4886.8,6852.38 4886.8,6849.03 4900.14,6835.68 4914.32,6835.68 4925,6825 C44.1@4925,6750 ; v1(4915,2255) 4813.54,2356.46 4813.54,2379.45 R24_U_Dual_Flowmeter2.2@4802.99,2390 5095,2390 5144.29,2439.29 C27_U_Dual_Flowmeter2.2@5144.29,2515 ; C28_U_Dual_Flowmeter1.2@4925,422.07 4922.98,422.07 4790.92,290 4600.86,290 4558.31,332.55 ; CR5.2@5064,7945 4930,7945 4885,7900 4885,7820 4925.86,7779.14 5258.26,7779.14 5259.12,7780 v1(5610,7780) 5610,7530.87 C29.2@5605,7525.87 ; C18.2@5352.51,4870 5355,4867.51 v1(5355,4680) 5550,4875 5550,5145 5525,5170 C24.2@5421.61,5170 ; v1(5440,7035) 5440,7188.9 C53.1@5446.1,7195 ; C41.1@5575,6545 5609.37,6510.63 5609.37,6445.63 5655,6400 5705,6400 v1(5710,6395) ; 2015.63,6965.24 2070.24,6965.24 2206.1,7101.1 ; 2206.1,7101.1 v1(2260,7155) ; v1(2260,7155) 2300,7115 ; v1(3453.66,2974.85) v1@3455.38,2976.56
  Layer 1 w10: U1.72@3306.06,3871.57 3106.57,3871.57 3005,3770 3005,3706.21 3046.21,3665 v1(3245,3665) 3408.15,3665 3450.98,3707.83 3482.44,3707.83 3489.41,3714.8 3489.41,3746.26 U1.82@3489.92,3746.77 ; v1(3465,3620) 3472.65,3627.65 3472.65,3655.08 3528.78,3711.21 3528.78,3746.26 U1.84@3529.29,3746.77 ; U1.40@3568.66,4350.71 3568.66,4374.13 3572.83,4378.31 3572.83,4382.98 3584.85,4395 3625,4395 v1(3670,4440) ; U1.15@3910,4088.11 3910.51,4088.62 4028.62,4088.62 v1(4035,4095) ; v1(4766.79,1765.64) 4915,1913.85 v1(4915,2255)
  other v1: 1770,2790
Net_U_1_U_4-20mA1_1: _U_1_U_4-20mA1.1 C12_U_4-20mA1.1 C20_U_4-20mA1.1 F1_U_4-20mA1.2 RF2_U_4-20mA1.1 U3_U_4-20mA1.2 | length 1122.7
  Top Layer w10: F1_U_4-20mA1.2@740,4425.16 752.8,4425.16 849.12,4521.49 849.12,4522.13 863.81,4536.81 RF2_U_4-20mA1.1@872.08,4536.81 1010.89,4536.81 _U_1_U_4-20mA1.1@1052.08,4578 1322.13,4578 C20_U_4-20mA1.1@1325,4580.87 1527.05,4580.87 1565,4542.92 C12_U_4-20mA1.1@1565,4540 1736.58,4540 1746.58,4550 U3_U_4-20mA1.2@1775.08,4550
Net_U_1_U_4-20mA1_2: _U_1_U_4-20mA1.2 C12_U_4-20mA1.2 C20_U_4-20mA1.2 J4.3 RF2_U_4-20mA1.2 U3_U_4-20mA1.3 | length 1733.8
  Top Layer w10: J4.3@450,3850 872.08,4272.08 RF2_U_4-20mA1.2@872.08,4463.19 1020.89,4463.19 _U_1_U_4-20mA1.2@1052.08,4432 1317.87,4432 C20_U_4-20mA1.2@1325,4439.13 1532.08,4439.13 1565,4472.05 C12_U_4-20mA1.2@1565,4474.97 1721.55,4474.97 1746.58,4500 U3_U_4-20mA1.3@1775.08,4500
Net_U_1_U_4-20mA2_1: _U_1_U_4-20mA2.1 C12_U_4-20mA2.1 C20_U_4-20mA2.1 F1_U_4-20mA2.2 RF2_U_4-20mA2.1 U3_U_4-20mA2.2 | length 1142.9
  Top Layer w10: F1_U_4-20mA2.2@630,5765.16 648.03,5783.19 683.11,5783.19 766.73,5866.81 RF2_U_4-20mA2.1@775,5866.81 783.27,5866.81 829.46,5913 _U_1_U_4-20mA2.1@965,5913 1217.87,5913 C20_U_4-20mA2.1@1240,5890.87 1454.57,5890.87 1475,5870.43 C12_U_4-20mA2.1@1475,5867.51 1652.01,5867.51 1659.5,5875 U3_U_4-20mA2.2@1688,5875
Net_U_1_U_4-20mA2_2: _U_1_U_4-20mA2.2 C12_U_4-20mA2.2 C20_U_4-20mA2.2 J3.3 RF2_U_4-20mA2.2 U3_U_4-20mA2.3 | length 1323
  Top Layer w10: J3.3@455,5700 673.54,5700 766.73,5793.19 RF2_U_4-20mA2.2@775,5793.19 938.81,5793.19 _U_1_U_4-20mA2.2@965,5767 1222.13,5767 C20_U_4-20mA2.2@1240,5749.13 1424.57,5749.13 1475,5799.57 C12_U_4-20mA2.2@1475,5802.49 1636.99,5802.49 1659.5,5825 U3_U_4-20mA2.3@1688,5825
Net_U_1_U_4-20mA3_1: _U_1_U_4-20mA3.1 C12_U_4-20mA3.1 C20_U_4-20mA3.1 F1_U_4-20mA3.2 RF2_U_4-20mA3.1 U3_U_4-20mA3.2 | length 1222.9
  Top Layer w10: F1_U_4-20mA3.2@665,5110.16 730.16,5110.16 829.98,5209.98 861.76,5209.98 RF2_U_4-20mA3.1@867.08,5215.3 1010.89,5215.3 _U_1_U_4-20mA3.1@1057.08,5261.49 1299.38,5261.49 C20_U_4-20mA3.1@1325,5235.87 1539.57,5235.87 1565,5210.43 C12_U_4-20mA3.1@1565,5207.51 1762.01,5207.51 1769.5,5215 U3_U_4-20mA3.2@1798,5215
Net_U_1_U_4-20mA3_2: _U_1_U_4-20mA3.2 C12_U_4-20mA3.2 C20_U_4-20mA3.2 J2.3 RF2_U_4-20mA3.2 U3_U_4-20mA3.3 | length 1547.9
  Top Layer w10: J2.3@450,4781.72 809.96,5141.68 RF2_U_4-20mA3.2@867.08,5141.68 1030.89,5141.68 _U_1_U_4-20mA3.2@1057.08,5115.49 1303.64,5115.49 C20_U_4-20mA3.2@1325,5094.13 1519.57,5094.13 1565,5139.57 C12_U_4-20mA3.2@1565,5142.49 1746.99,5142.49 1769.5,5165 U3_U_4-20mA3.3@1798,5165
Net_U_1_U_4-20mA4_1: _U_1_U_4-20mA4.1 C12_U_4-20mA4.1 C20_U_4-20mA4.1 F1_U_4-20mA4.2 RF2_U_4-20mA4.1 U3_U_4-20mA4.2 | length 1200.4
  Top Layer w10: F1_U_4-20mA4.2@720,2525.16 732.8,2525.16 822.95,2615.31 845.31,2615.31 RF2_U_4-20mA4.1@860,2630 986.02,2630 _U_1_U_4-20mA4.1@1055,2698.98 1313.5,2698.98 1340,2672.48 C20_U_4-20mA4.1@1340,2670.87 1552.05,2670.87 1595,2627.92 C12_U_4-20mA4.1@1595,2625 1595,2622.08 1610.83,2606.25 1613.75,2606.25 1620,2600 U3_U_4-20mA4.2@1803,2600
Net_U_1_U_4-20mA4_2: _U_1_U_4-20mA4.2 C12_U_4-20mA4.2 C20_U_4-20mA4.2 J7.3 RF2_U_4-20mA4.2 U3_U_4-20mA4.3 | length 2656.2
  Top Layer w10: J7.3@445,1045 860,1460 RF2_U_4-20mA4.2@860,2556.38 1051.6,2556.38 _U_1_U_4-20mA4.2@1055,2552.98 1316.15,2552.98 C20_U_4-20mA4.2@1340,2529.13 1567.08,2529.13 1595,2557.05 C12_U_4-20mA4.2@1595,2559.97 1764.53,2559.97 1774.5,2550 U3_U_4-20mA4.3@1803,2550
Net_U_1_U_4-20mA5_1: _U_1_U_4-20mA5.1 C12_U_4-20mA5.1 C20_U_4-20mA5.1 F1_U_4-20mA5.2 RF2_U_4-20mA5.1 U3_U_4-20mA5.2 | length 1191.5
  Top Layer w10: F1_U_4-20mA5.2@717.08,3137.15 735.11,3155.18 770.19,3155.18 848.81,3233.8 993.89,3233.8 _U_1_U_4-20mA5.1@1052.08,3291.99 ; _U_1_U_4-20mA5.1@1077.08,3291.99 1331.12,3291.99 C20_U_4-20mA5.1@1335,3295.87 1552.05,3295.87 1585,3262.92 C12_U_4-20mA5.1@1585,3260 1585,3257.08 1600.83,3241.25 1603.75,3241.25 1625,3220 U3_U_4-20mA5.2@1833,3220
Net_U_1_U_4-20mA5_2: _U_1_U_4-20mA5.2 C12_U_4-20mA5.2 C20_U_4-20mA5.2 J6.3 RF2_U_4-20mA5.2 U3_U_4-20mA5.3 | length 2326.6
  Top Layer w10: J6.3@450,1995 450,2111.96 600,2261.96 600,2911.37 848.81,3160.18 1037.89,3160.18 _U_1_U_4-20mA5.2@1052.08,3145.99 ; _U_1_U_4-20mA5.2@1077.08,3145.99 1326.86,3145.99 C20_U_4-20mA5.2@1335,3154.13 1547.08,3154.13 C12_U_4-20mA5.2@1585,3192.05 ; C12_U_4-20mA5.2@1585,3194.97 C12_U_4-20mA5.2@1585,3192.05 ; U3_U_4-20mA5.3@1833,3170 1609.97,3170 1603.75,3176.22 1600.83,3176.22 C12_U_4-20mA5.2@1585,3192.05
Net_U_1_U_4-20mA6_1: _U_1_U_4-20mA6.1 C12_U_4-20mA6.1 C20_U_4-20mA6.1 F1_U_4-20mA6.2 RF2_U_4-20mA6.1 U3_U_4-20mA6.2 | length 1133.1
  Top Layer w10: F1_U_4-20mA6.2@730,3810.31 F1_U_4-20mA6.2@742.8,3810.31 ; F1_U_4-20mA6.2@745,3810.31 757.8,3810.31 842.8,3895.31 865.31,3895.31 RF2_U_4-20mA6.1@880,3910 1022,3910 _U_1_U_4-20mA6.1@1060,3948 1293.5,3948 1320,3921.5 C20_U_4-20mA6.1@1320,3915 1577.51,3915 C12_U_4-20mA6.1@1590,3902.51 1717.01,3902.51 1739.5,3925 U3_U_4-20mA6.2@1768,3925 ; RF2_U_4-20mA6.1@870,3918.19 RF2_U_4-20mA6.1@878.27,3918.19
Net_U_1_U_4-20mA6_2: _U_1_U_4-20mA6.2 C12_U_4-20mA6.2 C20_U_4-20mA6.2 J5.3 RF2_U_4-20mA6.2 U3_U_4-20mA6.3 | length 2060.3
  Top Layer w10: J5.3@450,2930 551.49,3031.49 551.49,3197.7 880,3526.21 RF2_U_4-20mA6.2@880,3836.38 1025.62,3836.38 _U_1_U_4-20mA6.2@1060,3802 1293.5,3802 1320,3775.5 C20_U_4-20mA6.2@1320,3773.27 1528.7,3773.27 1590,3834.57 C12_U_4-20mA6.2@1590,3837.49 1701.99,3837.49 1739.5,3875 U3_U_4-20mA6.3@1768,3875 ; RF2_U_4-20mA6.2@856.73,3836.38 RF2_U_4-20mA6.2@865,3836.38 ; RF2_U_4-20mA6.2@870,3844.57 RF2_U_4-20mA6.2@878.27,3844.57
NetC2_1: "R AV1.1" C2.1 C3.1 U1.45 U1.87 | length 3383.1
  Top Layer w10: v1(2730,4510) 2655,4510 2625,4480 2625,3768.11 3091.57,3301.54 ; 3079.84,3279.96 3091.57,3291.69 3091.57,3301.54 ; C2.1@3195.08,3250.35 C2.1@3200,3250.35 ; C3.1@3325,3260.35 C2.1@3190,3260.35 3185.08,3260.35 3124.46,3320.97 3124.46,3334.42 ; v1(3590,3565) 3355.04,3565 3124.46,3334.42 ; 3091.57,3301.54 3124.46,3334.42
  Layer 1 w10: v1(2730,4510) 2770,4470 3396.21,4470 3470.24,4395.98 U1.45@3470.24,4350.71 U1.45@3469.72,4350.2 ; U1.87@3588.35,3746.77 3588.86,3746.26 3588.86,3666.14 3590,3665 v1(3590,3565)
NetC19_1: C19.1 IC6.12 | length 710
  Top Layer w10: v1(4095,6040) 4096.93,6041.93 4135,6041.93 4172.56,6079.49 C19.1@4215,6079.49 ; IC6.12@4270.24,6319.25 4243.66,6319.25 4239.8,6315.39 4239.8,6304.8 4239.14,6304.14 4239.14,6295.86 4280,6255 4345,6255 v1(4375,6225)
  Layer 2 w10: v1(4095,6040) 4280,6225 v1(4375,6225)
NetC21_U_Dual_Flowmeter1_1: C21_U_Dual_Flowmeter1.1 R20_U_Dual_Flowmeter1.1 U10_U_Dual_Flowmeter1.8 | length 314.8
  Top Layer w10: U10_U_Dual_Flowmeter1.8@4419,900 4527.72,900 R20_U_Dual_Flowmeter1.1@4532.72,895 4532.72,1037.45 4567.1,1071.83 C21_U_Dual_Flowmeter1.1@4575,1071.83
NetC21_U_Dual_Flowmeter2_1: C21_U_Dual_Flowmeter2.1 R20_U_Dual_Flowmeter2.1 U10_U_Dual_Flowmeter2.8 | length 294.8
  Top Layer w10: U10_U_Dual_Flowmeter2.8@4467,2410 4520,2410 4540,2390 4568.43,2390 R20_U_Dual_Flowmeter2.1@4573.43,2395 ; R20_U_Dual_Flowmeter2.1@4575,2395 4567.48,2402.52 4567.48,2527.21 4592.1,2551.83 C21_U_Dual_Flowmeter2.1@4600,2551.83
NetC22_U_Dual_Flowmeter1_1: C22_U_Dual_Flowmeter1.1 R23_U_Dual_Flowmeter1.2 U10_U_Dual_Flowmeter1.4 | length 472.9
  Top Layer w10: U10_U_Dual_Flowmeter1.4@4225,750 4196.5,750 4174.14,727.64 4174.14,715.86 4310,580 C22_U_Dual_Flowmeter1.1@4310,530 4384.53,530 4442.24,472.28 R23_U_Dual_Flowmeter1.2@4445,472.28
NetC22_U_Dual_Flowmeter2_1: C22_U_Dual_Flowmeter2.1 R23_U_Dual_Flowmeter2.2 U10_U_Dual_Flowmeter2.4 | length 667.3
  Top Layer w10: U10_U_Dual_Flowmeter2.4@4273,2260 4245.5,2260 4240,2254.5 4240,2175 4265,2150 4445,2150 4539.29,2055.71 C22_U_Dual_Flowmeter2.1@4606.18,2055.71 ; C22_U_Dual_Flowmeter2.1@4610,2049.09 4626.8,2032.28 R23_U_Dual_Flowmeter2.2@4740,2032.28
NetC25_U_Dual_Flowmeter1_1: C25_U_Dual_Flowmeter1.1 R21_U_Dual_Flowmeter1.1 | length 128.3
  Top Layer w10: C25_U_Dual_Flowmeter1.1@4781.47,1050 4902.72,1050 R21_U_Dual_Flowmeter1.1@4907.72,1055